# Altium PCB Gateway_V2.PcbDoc (part 2 of 2) (continued)
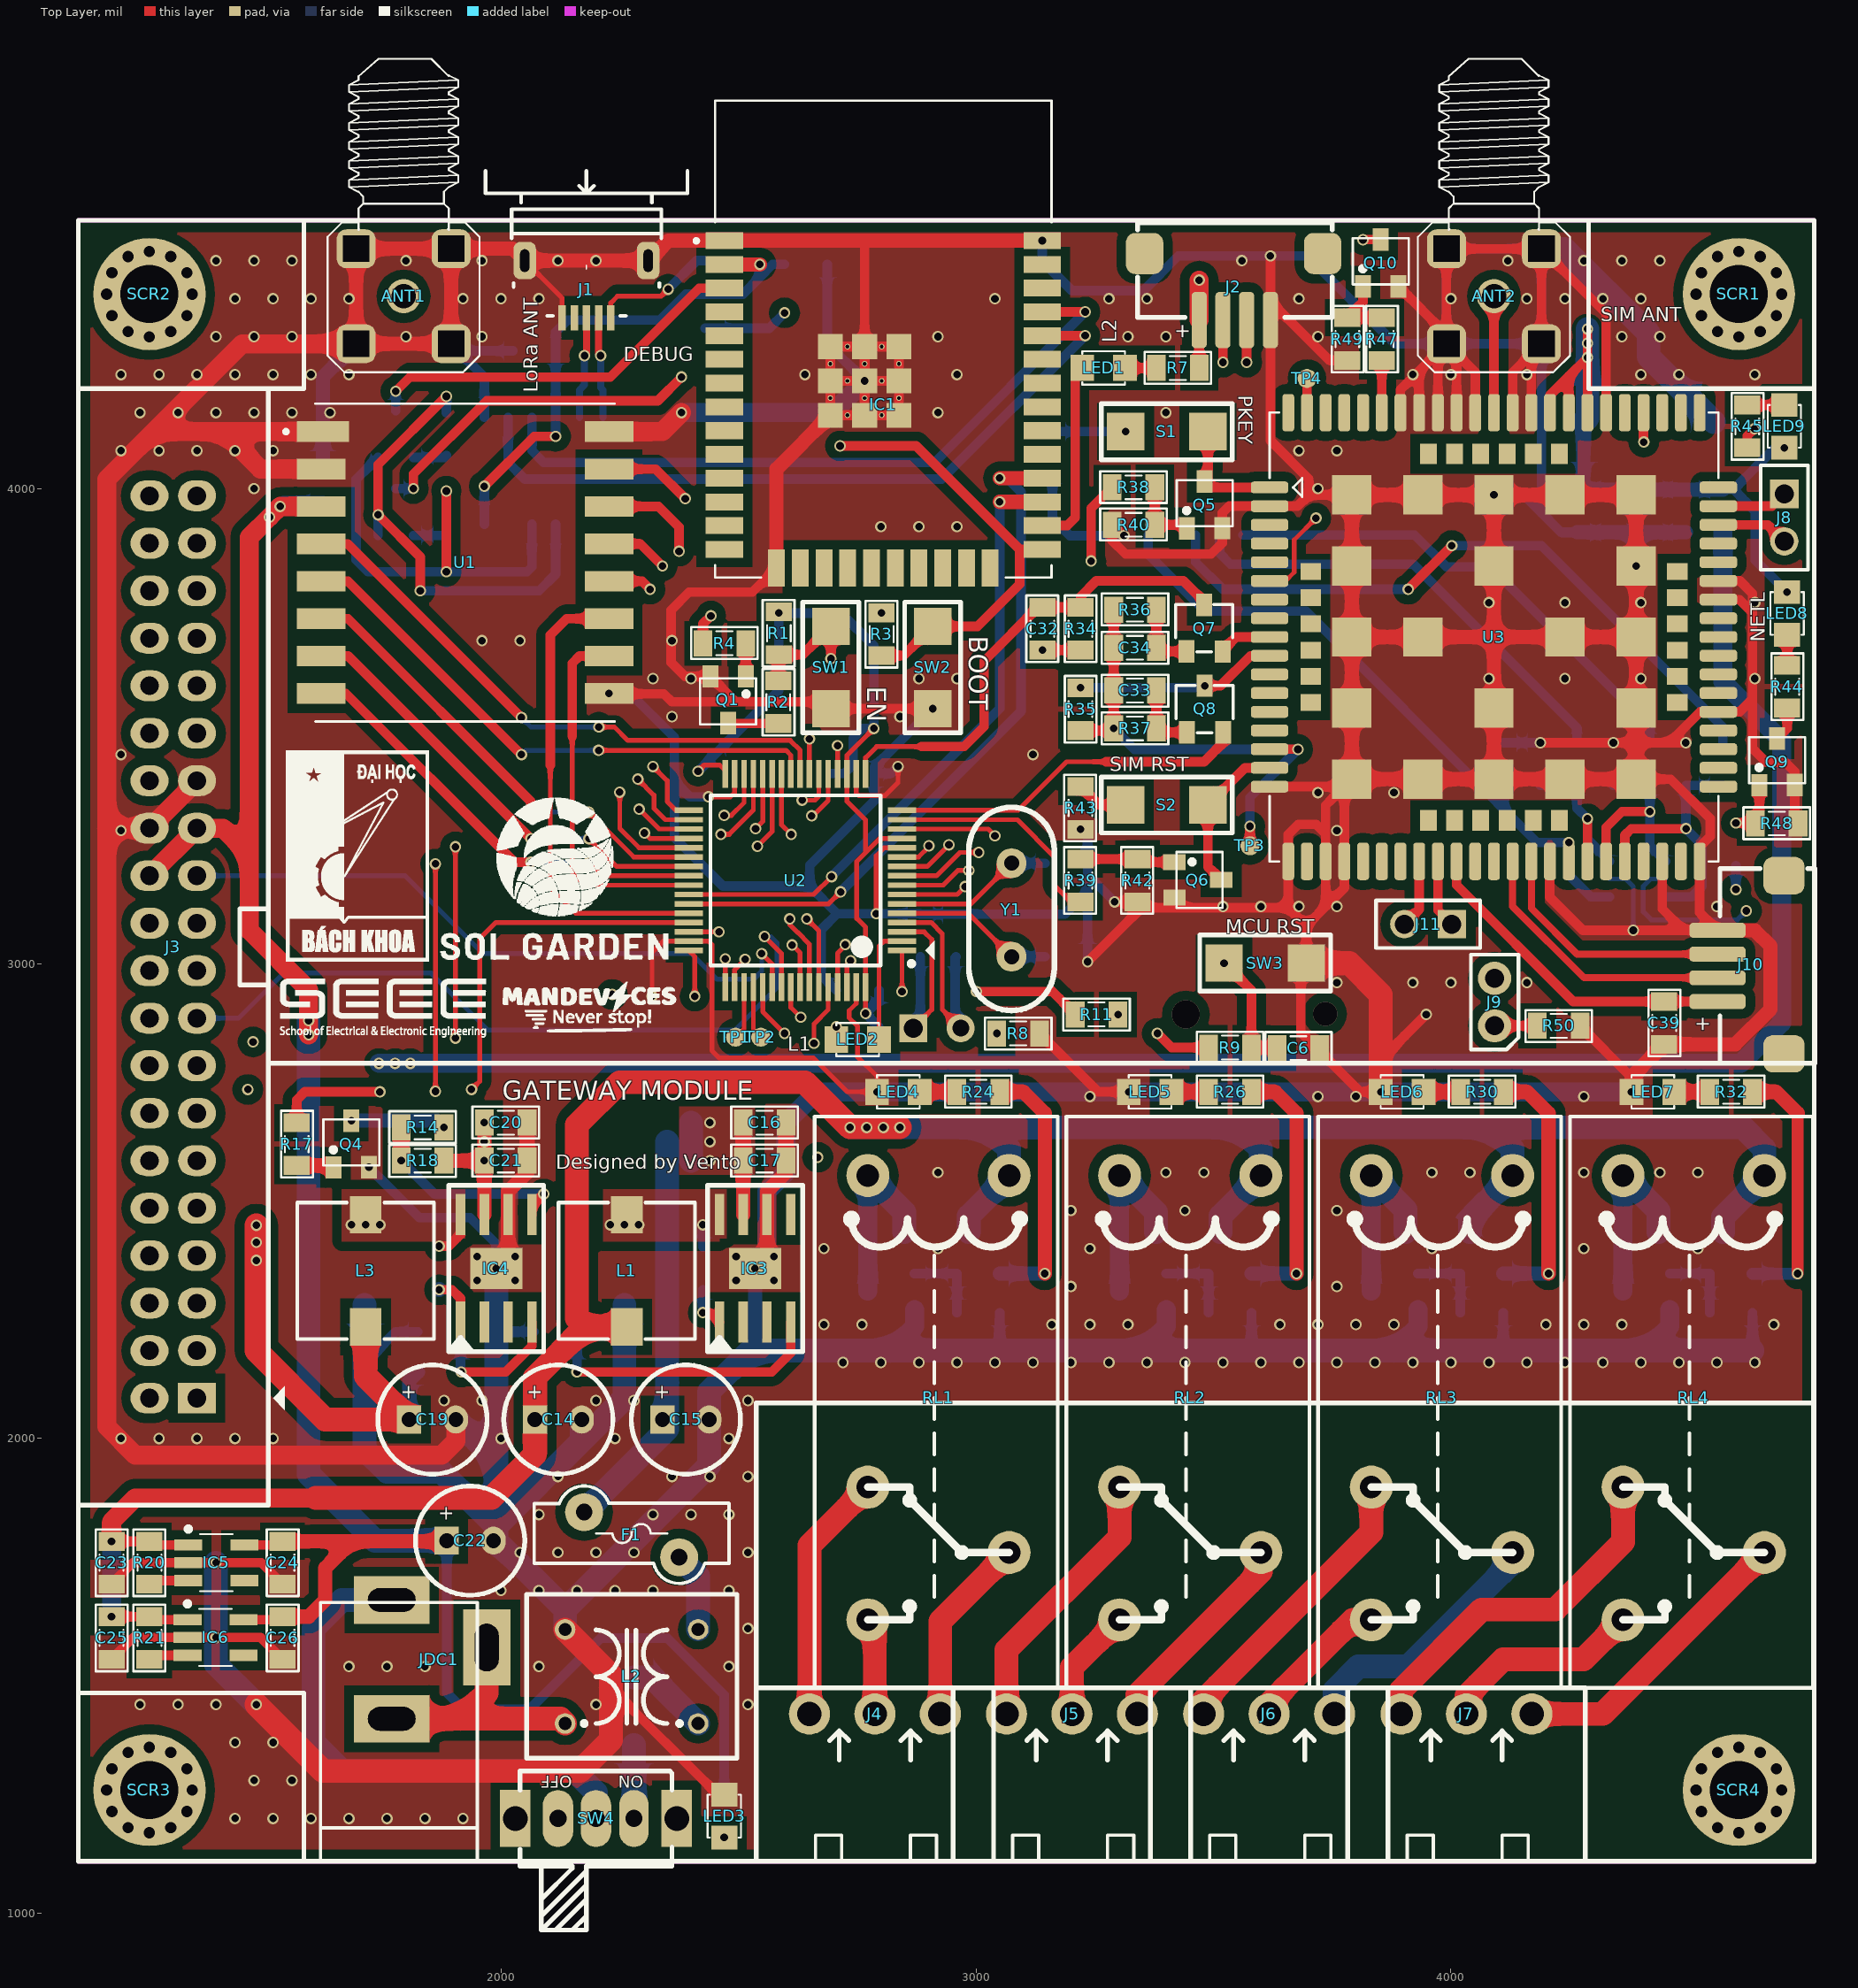
[diagram p0: Top Layer view]
## Nets (pads, with @x,y where several pads share a name; then routed paths per layer and width w, separated by ;. In a path a pad name is that pad's centre, name@x,y a point inside that pad or via, vN(x,y) a via of type N, cw(c..) or ccw(c..) an arc to the next point about the centre after c; other vN are vias at no path point) (continued)
NetIC1_27: IC1.27 U2.42 | length 1341.3
  Top Layer w10: U2.42@2395.59,3145.47 2658.47,3145.47 v1(2696,3183)
  Top Layer w30: v1(3050,3972.09) IC1.27@3139.65,3972.09
  Bottom Layer w20: v1(2696,3183) 3050,3537 v1(3050,3972.09)
NetIC1_28: IC1.28 U2.43 | length 1475.9
  Top Layer w10: U2.43@2395.59,3125.79 2689.79,3125.79 v1(2715,3151)
  Top Layer w30: v1(3050,4022.09) IC1.28@3139.65,4022.09
  Bottom Layer w20: v1(2715,3151) 3095,3531 3095,3993 3065.91,4022.09 v1(3050,4022.09)
NetIC3_4: IC3.4 R12.1 R13.2 | length 616.6
  Top Layer w20: v1(2160,2140) 2570,2140 2610,2180 IC3.4@2610,2245
  Bottom Layer w20: v1(2160,2140) R13.2@2160,2225
NetIC4_4: IC4.4 R16.1 R19.2 | length 307.8
  Top Layer w20: v1(1916.25,2140) 2010,2140 2065,2195 IC4.4@2065,2245
  Bottom Layer w20: R19.2@1915,2225 R16.1@1915,2140 v1(1916.25,2140)
NetIC5_3: IC5.3 R20.2 | length 84.9
  Top Layer w20: R20.2@1260,1693.43 1267.6,1701.03 IC5.3@1341.73,1701.03
NetIC6_3: IC6.3 R21.2 | length 82.2
  Top Layer w20: R21.2@1260,1538.43 1265.2,1543.63 IC6.3@1340,1543.63
NetIC7_1: IC7.1 R22.2 R25.2 | length 171.6
  Bottom Layer w20: IC7.1@2870.58,2347.2 R22.2@2960,2347.2 R25.2@2960,2265
NetIC8_1: IC8.1 R23.2 R27.2 | length 171.6
  Bottom Layer w20: IC8.1@3400.58,2347.2 R23.2@3490,2347.2 R27.2@3490,2265
NetIC9_1: IC9.1 R28.2 R31.2 | length 171.6
  Bottom Layer w20: IC9.1@3930.58,2347.2 R28.2@4020,2347.2 R31.2@4020,2265
NetIC10_1: IC10.1 R29.2 R33.2 | length 166.6
  Bottom Layer w20: IC10.1@4460.58,2347.2 R29.2@4545,2347.2 R33.2@4545,2265
NetJ3_1: J3.1 U2.62 | length 1816.1
  Top Layer w10: U2.62@2728.27,2950.59 2728.27,2998.27 v1(2736,3006)
  Signal Layer 1 w10: J3.1@1360,2085 1444,2085 1813,2454 2146,2454 2417,2725 2698,3006 v1(2736,3006)
NetJ3_2: J3.2 U2.61 | length 2489
  Top Layer w10: U2.61@2708.58,2950.59 2708.58,3021.58 2725,3038 v1(2725,3040)
  Signal Layer 1 w10: J3.2@1260,2085 1205,2085 1145,2145 1145,2610 1170,2635 1497,2635 1635,2773 1635,2824 1699,2888 2541,2888 2693,3040 v1(2725,3040)
NetJ3_3: J3.3 U2.29 | length 2147.6
  Top Layer w10: v1(1862,2731) v1(1862,3210) ; v1(2463,3272) 2480.4,3272 2531.42,3323.02 U2.29@2531.42,3399.41
  Signal Layer 1 w10: J3.3@1360,2185 1417,2185 1633,2401 1633,2543 1821,2731 v1(1862,2731) ; v1(1862,3210) 1940,3132 2279,3132 2419,3272 v1(2463,3272)
NetJ3_4: J3.4 U2.30 | length 2458
  Top Layer w10: v1(1904,2843) v1(1904,3246) ; v1@2480.28,3312 2485,3312 2511.73,3338.73 U2.30@2511.73,3399.41
  Signal Layer 1 w10: J3.4@1260,2185 1210,2185 1185,2210 1185,2520 1200,2535 1440,2535 1490,2535 1674,2719 1674,2804 1713,2843 v1(1904,2843) ; v1(1904,3246) 1977,3173 2271,3173 2410,3312 v1(2470,3312)
NetJ3_5: J3.5 U2.53 | length 1840.8
  Top Layer w10: U2.53@2551.1,2950.59 2551.1,2898.9 v1(2597,2853)
  Signal Layer 1 w10: v1(2597,2853) 2597,2662 v1(2667,2592)
  Signal Layer 2 w10: J3.5@1360,2285 1666,2285 1840,2459 2133,2459 2186,2512 2587,2512 v1(2667,2592)
NetJ3_14: J3.14 U2.26 | length 1880.6
  Top Layer w10: U2.26@2590.47,3399.41 2590.47,3292.53 v1(2611,3272)
  Signal Layer 1 w10: J3.14@1260,2685 1310,2735 v1(1467,2735)
  Signal Layer 2 w10: v1(1467,2735) 1521,2789 1521,3046 1556,3081 1926,3081 2420,3081 v1(2611,3272)
NetJ3_15: J3.15 U2.28 | length 1652
  Top Layer w10: v1(2536,3284.02) 2551.1,3299.1 U2.28@2551.1,3399.41
  Signal Layer 2 w10: J3.15@1360,2785 1399,2785 1435,2821 1435,3073 1524,3162 2132,3162 2413.98,3162 v1(2536,3284.02)
NetJ3_16: J3.16 U2.27 | length 1768.3
  Top Layer w10: v1(2540,3247) 2570.79,3277.79 U2.27@2570.79,3399.41
  Signal Layer 1 w10: J3.16@1260,2785 1310,2835 v1(1478,2835)
  Signal Layer 2 w10: v1(1478,2835) 1478,3060 1541,3123 2234,3123 2416,3123 v1(2540,3247)
NetJ3_17: J3.17 U2.55 | length 1594.4
  Top Layer w10: v1(2555,3057) 2590.47,3021.53 U2.55@2590.47,2950.59
  Bottom Layer w10: J3.17@1360,2885 1447,2885 1542,2980 1852.79,2980 1972.79,2860 2492,2860 2581,2949 2581,3044 2568,3057 v1(2555,3057)
NetJ3_18: J3.18 U2.56 | length 1483.8
  Top Layer w10: U2.56@2610.16,2950.59 2610.16,2907.84 v1(2631,2887)
  Signal Layer 1 w10: J3.18@1260,2885 1310,2935 v1(2234,2935)
  Signal Layer 2 w10: v1(2234,2935) 2282,2887 v1(2631,2887)
NetJ3_19: J3.19 U2.57 | length 1436.2
  Top Layer w10: v1(2613,3039) 2629.84,3022.16 U2.57@2629.84,2950.59
  Signal Layer 1 w10: J3.19@1360,2985 2307,2985 2440,3118 2534,3118 v1(2613,3039)
NetJ3_20: J3.20 U2.58 | length 1610.2
  Top Layer w10: v1(2608,3094) 2608,3082 2624,3066 2624.18,3066 2649.53,3040.66 U2.58@2649.53,2950.59
  Signal Layer 1 w10: J3.20@1260,2985 1310,3035 2298,3035 2425,3162 2540,3162 v1(2608,3094)
NetJ3_21: J3.21 U2.59 | length 1542.5
  Top Layer w10: v1(2644,3094) 2669.21,3068.79 U2.59@2669.21,2950.59
  Signal Layer 1 w10: J3.21@1360,3085 2291,3085 2407,3201 2558,3201 2644,3115 v1(2644,3094)
NetJ3_23: J3.23 U2.54 | length 1402.8
  Top Layer w10: v1(2549,3021) 2570.79,2999.21 U2.54@2570.79,2950.59
  Bottom Layer w10: J3.23@1360,3185 1798,3185 1962,3021 2401,3021 2455,2967 2532,2967 2549,2984 v1(2549,3021)
NetJ3_29: J3.29 U2.35 | length 1119.2
  Top Layer w10: v1(2291,3325) 2332.73,3283.27 U2.35@2395.59,3283.27
  Signal Layer 1 w10: J3.29@1360,3485 1470,3485 1600,3355 2199,3355 2229,3325 v1(2291,3325)
NetJ3_30: J3.30 U2.36 | length 1227.3
  Top Layer w10: v1(2302,3275) 2313.42,3263.58 U2.36@2395.59,3263.58
  Signal Layer 1 w10: J3.30@1260,3485 1310,3435 1467,3435 1611,3291 2231,3291 2247,3275 v1(2302,3275)
NetJ3_31: J3.31 U2.37 | length 1221.7
  Top Layer w10: v1(2250,3361) 2250,3284.5 2290.6,3243.9 U2.37@2395.59,3243.9
  Signal Layer 1 w10: J3.31@1360,3585 1470,3585 1672,3383 2228,3383 v1(2250,3361)
NetJ3_33: J3.33 U2.33 | length 1223.2
  Top Layer w10: v1(2320,3415) 2350,3385 2350,3341 2368.36,3322.64 U2.33@2395.59,3322.64
  Signal Layer 1 w10: J3.33@1360,3685 1471,3685 1605,3551 2204,3551 2320,3435 v1(2320,3415)
NetJ3_34: J3.34 U2.34 | length 1309.9
  Top Layer w10: v1(2288,3388.35) 2322,3354.35 2322,3327 2346.05,3302.95 U2.34@2395.59,3302.95
  Signal Layer 1 w10: J3.34@1260,3685 1310,3635 1470,3635 1696,3409 2267.35,3409 v1(2288,3388.35)
NetJ8_1: J8.1 U3.50 | length 149.6
  Top Layer w20: U3.50@4563.07,3963.15 4676.15,3963.15 J8.1@4702,3989
NetJ8_2: J8.2 U3.49 | length 153.3
  Top Layer w20: U3.49@4563.07,3923.78 4667.22,3923.78 J8.2@4702,3889
NetJ9_1: J9.1 R50.1 | length 90
  Top Layer w20: J9.1@4092,2869 R50.1@4182,2869
NetJ9_2: J9.2 U3.6 | length 1317.2
  Top Layer w10: U3.6@3618.19,3805.67 3651.67,3805.67 3670,3824 3670,3892 v1(3716,3938)
  Signal Layer 1 w10: v1(3716,3938) 3716,3854 4092,3478 J9.2@4092,2969
NetJ11_1: J11.1 U3.23 | length 144.3
  Top Layer w20: U3.23@3972.52,3215.12 3972.52,3112.48 J11.1@4002,3083
NetJ11_2: J11.2 U3.22 | length 145
  Top Layer w20: J11.2@3902,3083 3933.15,3114.15 U3.22@3933.15,3215.12
NetJDC1_1: JDC1.1 SW4.2 | length 1123.3
  Bottom Layer w50: JDC1.1@1770,1660 1665,1660 1605,1600 1605,1360 1665,1300 2155,1300 2200,1255 SW4.2@2200,1200
NetJDC1_2: JDC1.2 JDC1.3 L2.4 | length 541.7
  Top Layer w50: JDC1.2@1770,1410 1915.59,1410 ; JDC1.3@1970,1560 1970,1464.41 1915.59,1410 ; L2.4@2135,1400 2125,1410 1915.59,1410
NetLED1_1: LED1.1 R7.2 | length 66
  Top Layer w20: LED1.1@3314,4254 R7.2@3380,4254
NetLED2_1: LED2.1 R10.2
  other v1: 2706,2867
NetLED3_1: LED3.1 R15.1
  other v1: 2470,1160
NetLED4_1: LED4.1 R24.2 | length 78.3
  Top Layer w30: LED4.1@2881.71,2730 R24.2@2960,2730
NetLED5_1: LED5.1 R26.2 | length 78.3
  Top Layer w30: LED5.1@3411.71,2730 R26.2@3490,2730
NetLED6_1: LED6.1 R30.2 | length 78.3
  Top Layer w30: LED6.1@3942.35,2730 R30.2@4020.64,2730.01
NetLED7_1: LED7.1 R32.2 | length 75
  Top Layer w30: LED7.1@4470.01,2730.01 R32.2@4545.01,2730.01
NetLED8_2: LED8.2 R44.2 | length 64
  Top Layer w20: R44.2@4708,3628 LED8.2@4708,3692
NetLED9_2: LED9.2 R45.2 | length 78
  Top Layer w20: R45.2@4624,4176 LED9.2@4702,4176
NETLIGHT: R46.1 U3.52 | length 1134.5
  Top Layer w20: U3.52@4405.59,4160 4405.59,4098.41 v1(4406,4098)
  Signal Layer 1 w20: v1(4406,4098) 4549,3955 4549,3207 v1(4600,3156)
  Bottom Layer w20: v1(4600,3156) R46.1@4600,3206
NetQ1_1: Q1.1 R4.1 | length 69.6
  Top Layer w20: Q1.1@2515.4,3604.81 R4.1@2515.4,3674.39
NetQ1_3: Q1.3 R2.1 | length 106.4
  Top Layer w20: Q1.3@2478,3506.39 2479,3505.39 R2.1@2584,3505.39
NetQ2_1: Q2.1 R5.2 | length 71.1
  Bottom Layer w20: Q2.1@1815.68,4065.79 1880.79,4065.79 R5.2@1885,4070
NetQ3_1: Q3.1 R6.2 | length 70.7
  Bottom Layer w20: Q3.1@1815.68,3901.57 1881.57,3901.57 R6.2@1885,3905
NetQ4_1: Q4.1 R17.1 | length 79.3
  Top Layer w30: R17.1@1570,2575 1643.38,2575 Q4.1@1647.6,2570.79
NetQ4_3: Q4.3 R14.1 | length 200.9
  Bottom Layer w30: v1(1685,2669.21) 1865.79,2669.21 v1(1880,2655)
NetQ5_1: Q5.1 R38.1 R40.1 | length 149.4
  Top Layer w20: R38.1@3376.71,4002.68 R40.1@3376.71,3923.94 3436.95,3923.94 Q5.1@3444.31,3916.57
NetQ6_1: Q6.1 R39.1 R42.1 | length 200.5
  Top Layer w20: R39.1@3220,3220 R42.1@3340,3220 3346.6,3213.4 Q6.1@3417.79,3213.4
NetQ8_2: Q8.2 U2.16 | length 756.5
  Top Layer w10: U2.16@2844.41,3322.64 3088.64,3322.64 3191,3425 3274,3425
  Top Layer w20: 3274,3425 3480.47,3425 3520.31,3464.84 Q8.2@3520.31,3486.57
NetQ9_1: Q9.1 R46.2 R48.2 | length 125.5
  Top Layer w20: v1(4600,3296) 4640,3296 R48.2@4641,3295 4649.6,3303.6 Q9.1@4649.6,3375.57
NetQ9_3: Q9.3 R44.1 | length 72.7
  Top Layer w20: Q9.3@4687,3474 4708,3495 R44.1@4708,3538
NetQ10_1: Q10.1 R47.2 R49.2 | length 151.8
  Top Layer w20: Q10.1@3814.95,4425.79 3814.95,4392.95 R49.2@3782,4360 R47.2@3854.41,4360
NetQ10_3: Q10.3 R45.1 | length 1217.4
  Top Layer w20: v1(3814.95,4524) 3815.16,4524.21 Q10.3@3852.35,4524.21 ; R45.1@4624,4086 4624,4111 v1(4639,4126)
  Signal Layer 1 w20: v1(3814.95,4524) 3814.95,4276.83 3915.78,4176 4589,4176 v1(4639,4126)
NetR4_2: R4.2 U2.50 | length 1114.1
  Top Layer w10: U2.50@2492.05,2950.59 2492.05,2987.05 v1(2514,3009)
  Top Layer w20: R4.2@2425.4,3674.39 2425.4,3715.4 v1(2442,3732)
  Signal Layer 1 w10: v1(2442,3732) 2442,3500 2442,3432 2573,3301 2573,3243 2681,3135 2681,3068.54 2595.46,2983 2529,2983 2514,2998 v1(2514,3009)
NetR17_2: R17.2 U2.45 | length 1235.5
  Top Layer w10: v1(1938,2735) 1955,2752 1955,3052 1989.42,3086.42 2029.18,3086.42 U2.45@2395.59,3086.42
  Top Layer w20: R17.2@1570,2665 1570,2713 1587.01,2730.01 v1(1745,2730.01)
  Signal Layer 2 w10: v1(1745,2730.01) 1783.01,2692 1895,2692 v1(1938,2735)
NetR22_1: R22.1 R24.1 U2.8 | length 1674.1
  Top Layer w10: U2.8@2844.41,3165.16 2931.16,3165.16 2962,3196 v1(2985,3196)
  Top Layer w30: R24.1@3050,2730 3100,2730 3145,2685 v1(3145,2347.2)
  Signal Layer 1 w10: v1(2985,3196) 2949,3196 2939,3186 2939,3061 3145,2855 v1(3145,2347.2)
  Bottom Layer w30: R22.1@3050,2347.2 v1(3145,2347.2)
NetR23_1: R23.1 R26.1 U2.9 | length 2122.5
  Top Layer w10: U2.9@2844.41,3184.84 2916.84,3184.84 2966,3234 v1(3006,3234)
  Top Layer w30: R26.1@3580,2730 3630,2730 3675,2685 v1(3675,2347.2)
  Signal Layer 1 w10: v1(3006,3234) 3021,3219 3021,3178 3075,3124 3217,3124 3285,3056 3536,3056 3675,2917 v1(3675,2347.2)
  Bottom Layer w30: R23.1@3580,2347.2 v1(3675,2347.2)
NetR28_1: R28.1 R30.1 U2.10 | length 2529.3
  Top Layer w10: U2.10@2844.41,3204.53 2897.53,3204.53 v1(2943,3250)
  Top Layer w30: R30.1@4110.64,2730.01 4160.64,2730.01 4205.64,2685.01 v1(4205.64,2347.21)
  Signal Layer 2 w10: v1(2943,3250) 2943,3146.51 2990.51,3099 3337,3099 3647,2789 4050,2789 4205.64,2633.36 v1(4205.64,2347.21)
  Bottom Layer w30: R28.1@4110,2347.2 v1(4205.64,2347.21)
NetR29_1: R29.1 R32.1 U2.11 | length 3036.7
  Top Layer w10: U2.11@2844.41,3224.21 2879.21,3224.21 2901,3246 v1(2901,3248)
  Top Layer w25: v1(4730.01,2347.21) 4730.01,2685.01
  Top Layer w30: R32.1@4635.01,2730.01 4685.01,2730.01 4730.01,2685.01
  Signal Layer 2 w10: v1(2901,3248) 2955.95,3302.95 3128.05,3302.95 3211,3220 4156,3220 4730.01,2645.99 v1(4730.01,2347.21)
  Bottom Layer w25: R29.1@4635,2347.2 v1(4730.01,2347.21)
NetR38_2: R38.2 U2.14 | length 1037.4
  Top Layer w10: U2.14@2844.41,3283.27 3025.73,3283.27 v1(3040,3269)
  Top Layer w20: v1(3242.5,3847.5) 3242.5,3958.47 R38.2@3286.71,4002.68
  Signal Layer 1 w10: v1(3040,3269) 3179,3408 3179,3784 v1(3242.5,3847.5)
NetR39_2: R39.2 U2.15 | length 482.4
  Top Layer w10: U2.15@2844.41,3302.95 3087.05,3302.95 3166,3224 3166,3164 3200,3130 R39.2@3220,3130
NetR41_1: R41.1 S1.1 | length 154.1
  Bottom Layer w20: R41.1@3161,4120 v1(3315.1,4120)
NetR43_1: R43.1 S2.1 | length 111.1
  Top Layer w20: R43.1@3220,3372.6 3258.6,3334 S2.1@3315.1,3334
NetR51_2: R51.2 U4.7 | length 974.8
  Bottom Layer w20: U4.7@3512.44,3902.44 3512.44,3864.56 3536,3841 3921,3841 4265.2,3496.8 R51.2@4265.2,3465
NetR52_2: R52.2 U4.3 | length 1057.6
  Bottom Layer w20: U4.3@3562.44,3902.44 3923.56,3902.44 3991,3835 4083,3835 4418.8,3499.2 R52.2@4418.8,3465
NetR53_2: R53.2 U4.2 | length 1420.1
  Top Layer w20: v1(3910,3788) v1(4002,3880)
  Bottom Layer w20: U4.2@3462.44,3902.44 3462.44,3845.56 3520,3788 v1(3910,3788) ; v1(4002,3880) 4190.48,3880 4572.39,3498.09 R53.2@4572.39,3465
NetTP1_1: TP1.1 U2.51 | length 112.9
  Top Layer w10: TP1.1@2494,2845 2511.73,2862.73 U2.51@2511.73,2950.59
NetTP2_1: TP2.1 U2.52 | length 112
  Top Layer w10: U2.52@2531.42,2950.59 2531.42,2860.58 TP2.1@2547,2845
NetU1_4: U1.4 U2.24 | length 1238.6
  Top Layer w10: v1(2206,3498) 2239,3498 2267,3470 2609,3470 2629.84,3449.16 U2.24@2629.84,3399.41
  Top Layer w20: U1.4@1621.06,3883.78 1677.22,3883.78 v1(2043,3518)
  Bottom Layer w10: v1(2043,3518) 2063,3498 v1(2206,3498)
NetU1_5: U1.5 U2.25 | length 1187.7
  Top Layer w10: v1(2205.59,3449) 2600,3449 2610.16,3438.84 U2.25@2610.16,3399.41
  Top Layer w20: U1.5@1621.06,3805.04 1677.96,3805.04 v1(2043,3440)
  Bottom Layer w10: v1(2043,3440) 2052,3449 v1(2205.59,3449)
NetU1_6: U1.6 U2.38 | length 995.4
  Top Layer w10: v1(2185,3319) 2279.79,3224.21 U2.38@2395.59,3224.21
  Top Layer w20: U1.6@1621.06,3726.3 1677.7,3726.3 2063,3341 v1(2063,3319)
  Bottom Layer w10: v1(2063,3319) v1(2185,3319)
NetU1_7: U1.7 U2.39 | length 958
  Top Layer w10: v1(2185,3263) 2243.47,3204.53 U2.39@2395.59,3204.53
  Top Layer w20: U1.7@1621.06,3647.56 1678.44,3647.56 v1(2063,3263)
  Bottom Layer w10: v1(2063,3263) v1(2185,3263)
NetU1_8: U1.8 U2.40 | length 933.6
  Top Layer w10: v1(2185,3213.4) 2213.56,3184.84 U2.40@2395.59,3184.84
  Top Layer w20: U1.8@1621.06,3568.82 1673.18,3568.82 2028.6,3213.4 v1(2063,3213.4)
  Bottom Layer w10: v1(2063,3213.4) v1(2185,3213.4)
NetU1_10: U1.10 U2.41 | length 780.5
  Top Layer w10: 2150,3479 2150,3192 2176.84,3165.16 U2.41@2395.59,3165.16
  Top Layer w20: 2150,3479 2150,3632 2165.56,3647.56 U1.10@2227.36,3647.56
NetU1_11: U1.11 U2.44 | length 984.1
  Top Layer w10: 2104,3418 2104,3159 2156.9,3106.1 U2.44@2395.59,3106.1
  Top Layer w20: 2104,3418 2104,3692 2138.3,3726.3 U1.11@2227.36,3726.3
NetU1_12: U1.12 U2.21 | length 921
  Top Layer w10: v1(2654,3311) 2657,3311 2688.9,3342.9 U2.21@2688.9,3399.41
  Top Layer w20: U1.12@2227.36,3805.04 2296.96,3805.04 v1(2314,3788)
  Signal Layer 1 w10: v1(2314,3788) 2334,3768 2465,3768 2494,3739 2494,3480 2588,3386 2588,3329 2606,3311 v1(2654,3311)
NetU1_13: U1.13 U2.22 | length 900.5
  Top Layer w10: v1(2634,3344) 2661,3344 2669.21,3352.21 U2.22@2669.21,3399.41
  Top Layer w20: U1.13@2227.36,3883.78 2293.22,3883.78 v1(2340,3837)
  Signal Layer 1 w10: v1(2340,3837) 2367,3810 2482.91,3810 2540,3752.91 2540,3506 2634,3412 v1(2634,3344)
NetU1_14: U1.14 U2.23 | length 902.7
  Top Layer w10: U2.23@2649.53,3399.41 v1(2649.53,3473)
  Top Layer w20: U1.14@2227.36,3962.52 2331.48,3962.52 2375,3919 v1(2375,3868)
  Signal Layer 1 w10: v1(2375,3868) 2552,3868 2624,3796 2624,3588.53 2649.53,3563 v1(2649.53,3473)
NetU1_15: U1.15 U2.20 | length 994.3
  Top Layer w10: U2.20@2708.58,3399.41 v1(2708.58,3459)
  Top Layer w20: U1.15@2227.36,4041.26 2325.74,4041.26 v1(2388,3979)
  Signal Layer 1 w10: v1(2388,3979) 2551,3979 2660,3870 2660,3612 2708.58,3563.42 v1(2708.58,3459)
NO0: J4.2 RL1.5 | length 204.4
  Top Layer w50: RL1.5@2772.36,1618.27 2787.2,1603.43 J4.2@2787.2,1420
NO1: J5.2 RL2.5 | length 239.8
  Top Layer w50: J5.2@3202.2,1420 3202.2,1518.11 RL2.5@3302.36,1618.27
NO2: J6.2 RL3.5 | length 310.3
  Top Layer w50: J6.2@3617.2,1420 3617.2,1442.2 3793.27,1618.27 RL3.5@3832.36,1618.27
NO3: J7.2 RL4.5 | length 433.8
  Top Layer w50: J7.2@4032.79,1420 4032.79,1457.79 4110,1535 4279.09,1535 RL4.5@4362.36,1618.27
OSC32_IN: C11.2 U2.3 Y2.1 | length 428.5
  Top Layer w10: U2.3@2844.41,3066.73 2891.27,3066.73 2907,3051 2907,2903 Y2.1@2868,2864
  Bottom Layer w20: Y2.1@2868,2864 2883,2879 C11.2@2883,3014
OSC32_OUT: C12.2 U2.4 Y2.2 | length 466.4
  Top Layer w10: U2.4@2844.41,3086.42 2905.58,3086.42 2929,3063 2929,2903 Y2.2@2968,2864
  Bottom Layer w20: C12.2@2958,3014 2956,3012 2956,2874 2958,2874 Y2.2@2968,2864
OSC_IN: C4.2 U2.5 Y1.1 | length 338.5
  Top Layer w10: U2.5@2844.41,3106.1 2983.4,3106.1 Y1.1@3074.97,3014.54
  Bottom Layer w20: Y1.1@3074.97,3014.54 C4.2@3145,3014.54
OSC_OUT: C5.2 U2.6 Y1.2 | length 336
  Top Layer w10: U2.6@2844.41,3125.79 2989.37,3125.79 Y1.2@3074.97,3211.39
  Bottom Layer w20: Y1.2@3074.97,3211.39 C5.2@3145,3211.39
PKEY: Q5.3 S1.2 U3.1 | length 249.4
  Top Layer w20: S1.2@3488.33,4120 3488.33,4021.61 Q5.3@3481.71,4015 3494.19,4002.52 U3.1@3618.19,4002.52
PWR_SIM_EN: IC4.5 R14.2 R18.1 | length 453
  Top Layer w20: IC4.5@2065,2471.38 2065,2490 v1(2090,2515)
  Top Layer w30: v1(1790,2585) R14.2@1790,2655
  Bottom Layer w20: v1(1790,2585) 1860,2515 v1(2090,2515)
RESET: Q6.3 S2.2 U3.16 | length 331.7
  Top Layer w20: Q6.3@3516.21,3176 3488.33,3203.89 S2.2@3488.33,3334 3566.29,3411.97 U3.16@3618.19,3411.97
RST: IC2.14 Q2.2 R6.1 | length 879.9
  Top Layer w20: v1(1885,3825) v1(1885,3995)
  Bottom Layer w20: Q2.2@1741.28,4066 1695,4019.72 1695,3850 1720,3825 v1(1885,3825) 2055,3825 2065,3835 IC2.14@2065,3925.28
SIM_CLK: C37.1 IC11.4 R52.1 U3.32 | length 427.6
  Top Layer w20: U3.32@4326.85,3215.12 4326.85,3286.85 4360,3320 v1(4418.8,3320)
  Bottom Layer w20: C37.1@4342,3375 R52.1@4418.8,3375 v1(4418.8,3320) 4418.8,3248.66 IC11.4@4452.06,3215.4
SIM_DATA: C36.1 IC11.3 R51.1 U3.31 | length 354.8
  Top Layer w20: U3.31@4287.48,3215.12 v1(4287.48,3305)
  Bottom Layer w20: C36.1@4188.4,3375 R51.1@4265.2,3375 4265.2,3327.28 v1(4287.48,3305) 4287.48,3261.87 IC11.3@4333.94,3215.4
SIM_N: J10.2 U3.28 | length 530.4
  Top Layer w15: U3.28@4169.37,3215.12 4169.37,3116.63 4266,3020 J10.2@4561.3,3020
SIM_P: J10.3 U3.27 | length 588.2
  Top Layer w15: U3.27@4130,3215.12 4130,3120.64 4280.64,2970 J10.3@4561.3,2970
SIM_RST: C38.2 IC11.6 R53.1 U3.33 | length 579.9
  Top Layer w20: U3.33@4366.22,3215.12 4366.22,3270.23 4380.01,3284.02 v1(4495,3284.02)
  Bottom Layer w20: IC11.6@4452.06,3140.6 4506.6,3140.6 4529,3163 4529,3250.02 v1(4495,3284.02) 4495,3374.6 C38.2@4494.6,3375 R53.1@4572.39,3375
SIM_RX: Q8.3 R35.2 U3.10 | length 426.1
  Top Layer w20: v1(3481.71,3585) 3515,3585 3578.19,3648.19 U3.10@3618.19,3648.19
  Bottom Layer w20: v1(3220,3580.71) 3477.42,3580.71 v1(3481.71,3585)
SIM_TX: Q7.2 U3.9 | length 113
  Top Layer w20: Q7.2@3519.41,3656.95 3519.41,3659.53 3547.44,3687.56 U3.9@3618.19,3687.56
SIM_VDD: C35.1 IC11.1 U3.30 U4.1 | length 1440.8
  Top Layer w20: U3.30@4248.11,3215.12 v1(4248.11,3255)
  Bottom Layer w20: U4.1@3362.44,3902.44 3362.44,3861.56 3482,3742 3694.61,3742 4111.61,3325 ; C35.1@4111.61,3375 4111.61,3325 ; IC11.1@4333.94,3140.6 4294.4,3140.6 4248.11,3186.89 v1(4248.11,3255) 4181.61,3255 4111.61,3325
STATUS: R47.1 U3.66 | length 110
  Top Layer w20: U3.66@3854.41,4160 R47.1@3854.41,4270
SWCLK: J2.3 U2.49 | length 2231.6
  Top Layer w10: U2.49@2472.36,2950.59 v1(2472.36,3010)
  Top Layer w20: v1(3570,4266) J2.3@3570,4355
  Signal Layer 2 w20: v1(2472.36,3010) 2472.36,3024.36 2784,3336 3420,3336 3570,3486 v1(3570,4266)
SWDIO: J2.2 U2.46 | length 2155.4
  Top Layer w10: U2.46@2395.59,3066.73 v1(2459,3066.73)
  Top Layer w20: v1(3520,4266) J2.2@3520,4355
  Signal Layer 2 w20: v1(2459,3066.73) 2765.27,3373 3387,3373 3520,3506 v1(3520,4266)
VBAT: C27.1 C28.2 C29.2 C30.2 C31.2 FB1.2 IC11.5 LED8.1 LED9.1 U3.55 U3.56 U3.57 | length 2529.2
  Top Layer w20: U3.57@4208.74,4160 4208.74,4197.26 4248.11,4236.63 ; U3.56@4248.11,4160 4248.11,4236.63 ; U3.55@4287.48,4160 v1(4287.48,4276) ; v1(4287.48,4336) v1(4287.48,4306) v1(4287.48,4276) ; 4248.11,4236.63 v1(4287.48,4276)
  Signal Layer 1 w20: v1(4622,3111) 4708,3197 v1(4708,3782)
  Bottom Layer w10: IC11.5@4452.06,3178 4420,3178 4405,3163 4405,3109 4422,3092 4603,3092 v1(4622,3111)
  Bottom Layer w20: FB1.2@4573,3998 4587,3998 FB1.2@4595,3998 ; v1(4702,4086) 4683,4086 FB1.2@4595,3998 ; v1(4708,3782) 4641,3849 4641,3952 FB1.2@4595,3998
  Bottom Layer w30: C27.1@4279,4140 4279,4011 C31.2@4266,3998 C30.2@4343,3998 C29.2@4419,3998 FB1.2@4573,3998
  Bottom Layer w50: C27.1@4279,4140 4287.48,4148.48 v1(4287.48,4276) v1(4287.48,4306) v1(4287.48,4336)
VBUS: C39.2 J10.4 U3.24 | length 700.7
  Top Layer w20: U3.24@4011.89,3215.12 4011.89,3165.51 4257.4,2920 J10.4@4561.3,2920
VDD_1V8: C33.1 C34.1 R35.1 R36.2 R37.2 TP3.1 U3.15 | length 1032.9
  Top Layer w20: R35.1@3220,3490.71 3285.71,3490.71 v1(3290,3495) C33.1@3290,3575 C34.1@3290,3665 R36.2@3290,3745.1 ; TP3.1@3577,3248 v1(3577,3289) ; U3.15@3618.19,3451.34 3677.66,3451.34 v1(3678,3451)
  Bottom Layer w20: v1(3290,3495) 3334,3451 v1(3678,3451) 3577,3350 v1(3577,3289)
VDD_2V8: TP4.1 U3.99 | length 72
  Top Layer w20: U3.99@3696.93,4160 TP4.1@3696.93,4232
pads on no net: ANT1.1 IC1.4 IC1.5 IC1.6 IC1.7 IC1.8 IC1.9 IC1.13 IC1.14 IC1.16 IC1.17 IC1.18 IC1.19 IC1.20 IC1.21 IC1.22 IC1.23 IC1.24 IC1.29 IC1.32 IC2.7 IC2.8 IC2.9 IC2.10 IC2.11 IC2.12 IC2.15 IC3.2 IC3.3 IC3.5 IC4.2 IC4.3 IC5.4 IC6.4 J1.4 J2.5 J3.6 J3.7 J3.8 J3.9 J3.10 J3.11 J3.12 J3.13 J3.22 J3.28 J3.32 J3.35 J3.36 J3.37 J3.38 J3.39 J3.40 J10.5 SCR1.0 SCR2.0 SCR3.0 SCR4.0 SW4.3 SW4.GND U3.3 U3.4 U3.5 U3.7 U3.8 U3.11 U3.12 U3.13 U3.14 U3.19 U3.20 U3.21 U3.25 U3.26 U3.34 U3.35 U3.36 U3.37 U3.38 U3.40 U3.41 U3.42 U3.43 U3.44 U3.47 U3.48 U3.51 U3.53 U3.67 U3.68 U3.101 U3.102 U3.103 U3.104 U3.105 U3.106 U3.107 U3.108 U3.109 U3.110 U3.111 U3.112 U3.113 U3.114 U3.115 U3.116 U3.117 U3.118 U3.119 U3.120 U3.121 U3.122 U3.123 U3.124 U4. U4.6
copper on no net:
  other v2: 3735,2894
  other v3: 3442,2893

## Polygon pours and split planes (outlines as drawn)
GND on Top Layer "GND_L01_P016" (solid, remove dead copper, pour order 16): 2537,1110 1110,1110 1110,4565 4765,4565 4765,2075 2537,2075
NetC18_1 on Top Layer "NETC18_1_L01_P010" (solid, remove dead copper, pour order 10): 1925,2415 1665,2415 1665,2525 1925,2525
12V on Top Layer "12V_L01_P004" (solid, remove dead copper, pour order 4): 2535,2555 2535,2699 2375,2699 2375,2555
NetC13_1 on Top Layer "NETC13_1_L01_P000" (solid, remove dead copper, pour order 0): 2475,2415 2215,2415 2215,2525 2475,2525
GND on Bottom Layer "GND_L04_P020" (solid, remove dead copper, pour order 20): 1110,4565 1110,1110 2537,1110 2537,1147 2537.21,2075 4765,2075 4765,4565
GND on Bottom Layer "GND_L04_P012" (solid, remove dead copper, pour order 12): 1935,2400 2045,2400 2045,2315 1935,2315
12V on Bottom Layer "12V_L04_P008" (solid, remove dead copper, pour order 8): 1940,2699 2535,2699 2535,2555 1940,2555
GND on Bottom Layer "GND_L04_P002" (solid, remove dead copper, pour order 2): 2480,2400 2590,2400 2590,2315 2480,2315
GND on Signal Layer 1 "GND_L02_P018" (solid, remove dead copper, pour order 18): 2537,1110 1110,1110 1110,4565 4765,4565 4765,2075 2537,2075
GND on Signal Layer 2 "GND_L03_P022" (solid, remove dead copper, pour order 22): 2537,1110 2537,2075 4765,2075 4765,4565 1110,4565 1110,1110

## Keep-outs
Keep-Out Layer:
  the board outline again, w10

## Silkscreen, mask and mechanical layers (free items; w line width, h text height)
Top Overlay:
  drawing of 17296 lines, arcs and shapes, not listed
  text "SIM ANT" at 4315.43,4352.14 h30
  text "+" at 3448.63,4314 h30 r90
  text "L2" at 3296,4307.68 h30 r90
  text "DEBUG" at 2258,4268 h30
  text "LoRa ANT" at 2077,4202 h30 r90
  text "PKEY" at 3552.7,4197 h30 r270
  text "BOOT" at 2985,3690 h40 r270
  text "NETL" at 4661,3677 h30 r90
  text "EN" at 2771.57,3584 h40 r270
  text "SIM RST" at 3281.65,3404.84 h30
  text "MCU RST" at 3525.6,3063.13 h30
  text "+" at 4543.39,2855.48 h30 r90
  text "L1" at 2603.68,2816.67 h30
  text "GATEWAY MODULE" at 2003,2713 h40
  text "Designed by Vento" at 2115.52,2568 h30
Bottom Overlay:
  drawing of 8541 lines, arcs and shapes, not listed
  text "CAUTION of HIGH VOLTAGE!" at 4351,1975 h50
  text "NC" at 2682.41,1292 h30
  text "NO" at 2820.41,1292 h30
  text "COM" at 2973.41,1292 h30
  text "NC" at 3097.41,1292 h30
  text "NO" at 3235.41,1292 h30
  text "COM" at 3388.41,1292 h30
  text "NC" at 3512.41,1292 h30
  text "NO" at 3650.41,1292 h30
  text "COM" at 3803.41,1292 h30
  text "NC" at 3928,1292 h30
  text "NO" at 4066,1292 h30
  text "COM" at 4219,1292 h30
  text "Power: 9-24VDC - 1A / Output Relay: 4 Relays 250VAC - 12A / Wireless: GSM 3G/4G - WIFI - LoRa / LCD: 3.5inch /w Touch" at 1408,1098 h30 r270

## Text inside footprints (layer, text, board x,y; h text height)
C14: Top Overlay "+" at 2053.79,2084 h30
C15: Top Overlay "+" at 2322.21,2084 h30
C19: Top Overlay "+" at 1788.79,2084 h30
C22: Top Overlay "+" at 1868,1829 h30
IC1: Mechanical 13 "ANTENNA" at 2568.78,4669.33 h30
SW4: Top Overlay "ON" at 2300,1290 h25 r180; Top Overlay "OFF" at 2150,1290 h25 r180